# Altium PCB mpu6050.PcbDoc
Units mm, origin at the board's own origin, x right, y up, seen from the top; angles counter-clockwise.
Board outline 14.63 x 18.45 mm, 2 copper layers (Top Layer, Bottom Layer); 11 components, 9 nets, 53 pads, 19 vias.
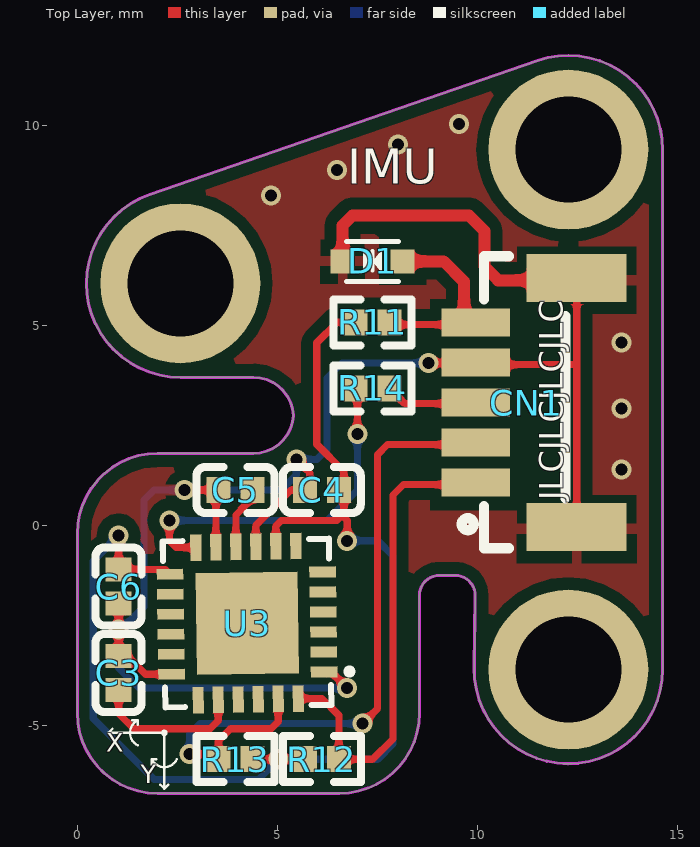
[diagram p0: Top Layer view]
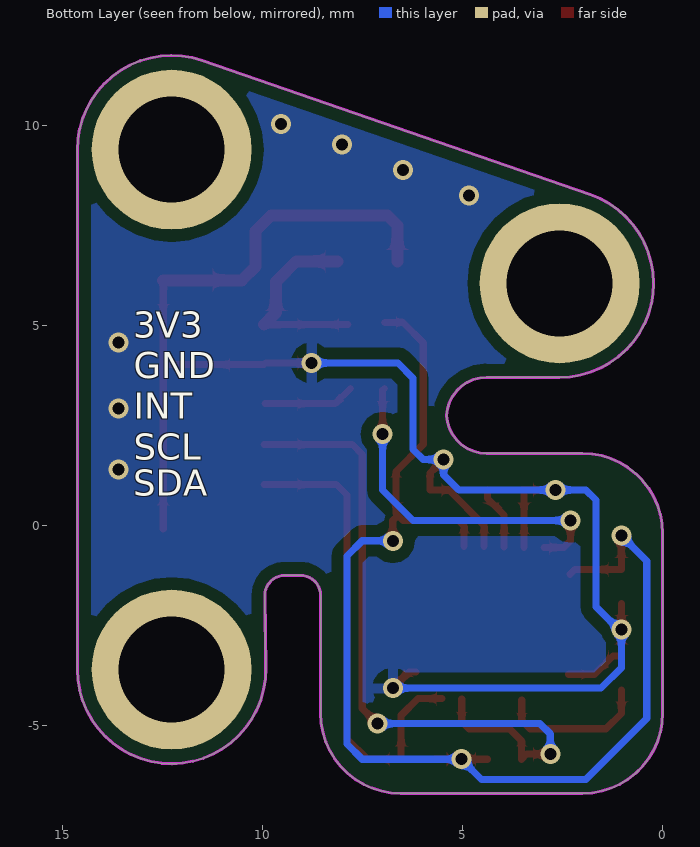
[diagram p1: Bottom Layer view, seen from below]
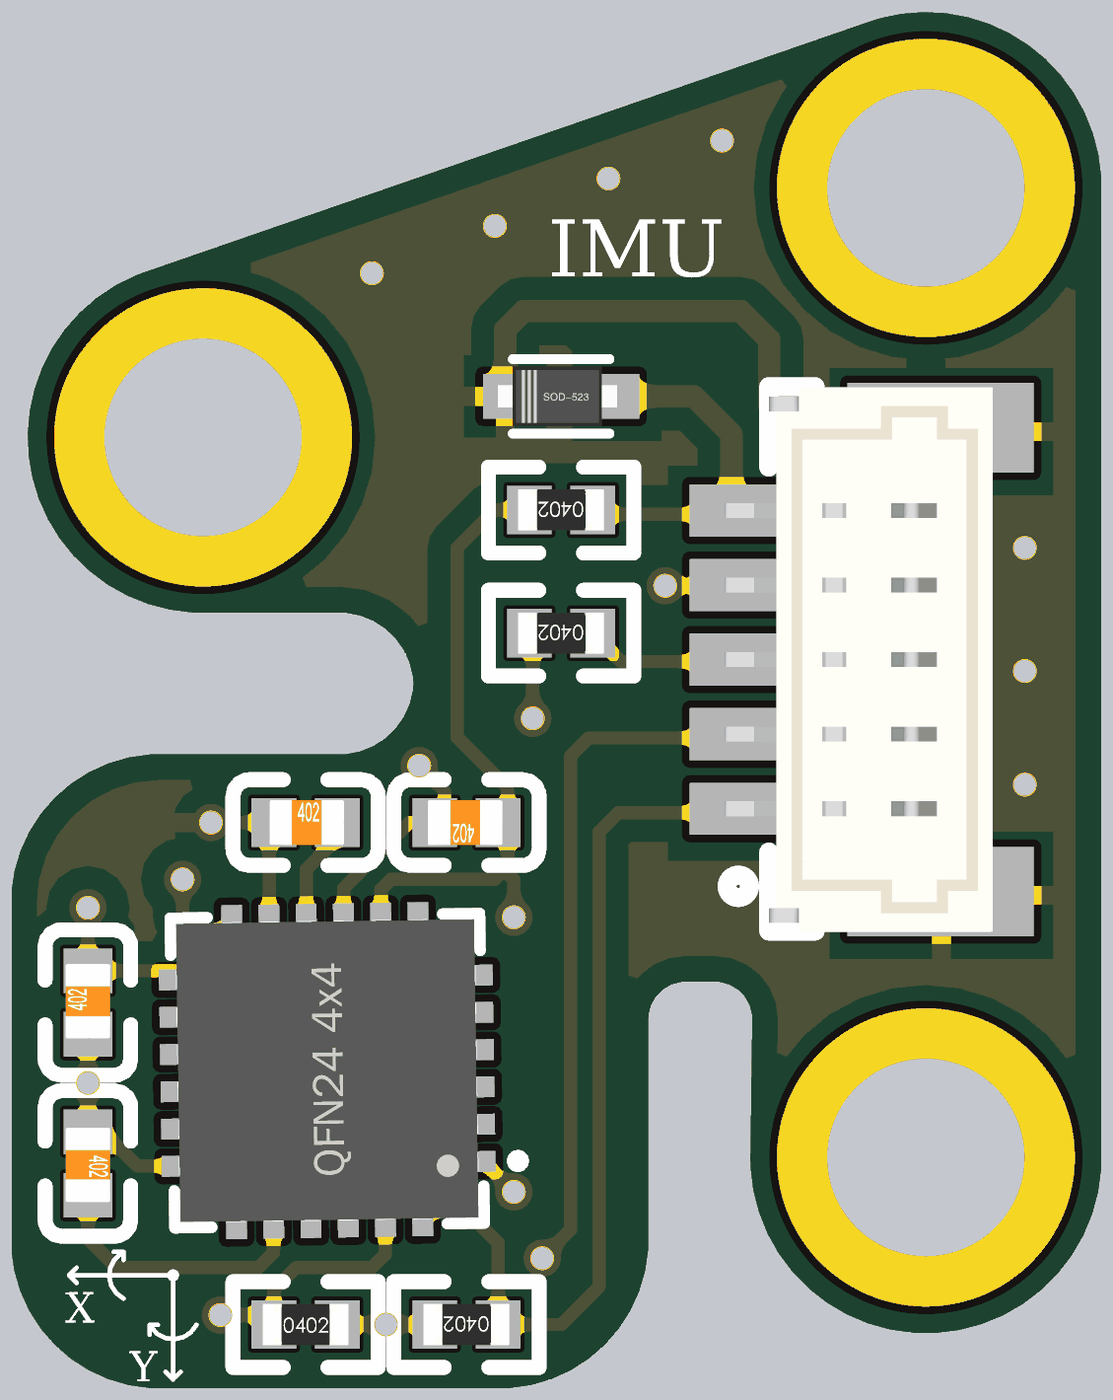
[diagram p2: 3D render of the assembled board from above, using the file's embedded part models]

## Layer stack, top to bottom
Top Solder: solder mask 0.0102, Solder Resist, Dk 3.5
Top Layer: signal copper 0.0356
Dielectric 1: dielectric 0.32, FR-4, Dk 4.8
Bottom Layer: signal copper 0.0356
Bottom Solder: solder mask 0.0102, Solder Resist, Dk 3.5

## Board outline
-0.014,-4.696 ccw(c1.986,-4.696) 1.986,-6.696 6.537,-6.696 ccw(c6.537,-4.696) 8.537,-4.696 8.537,-1.746 cw(c9.037,-1.746) 9.037,-1.246 9.43,-1.246 cw(c9.43,-1.746) 9.93,-1.752 9.907,-3.57 ccw(c12.261,-3.601) 14.616,-3.601 14.616,9.399 ccw(c12.261,9.399) 11.492,11.625 1.794,8.275 ccw(c2.561,6.054) 2.561,3.704 4.386,3.704 cw(c4.386,2.704) 5.385,2.754 cw(c4.386,2.804) 4.386,1.804 1.986,1.804 ccw(c1.986,-0.196) -0.014,-0.196

## Design rules (kind name [scope] priority, off if disabled: settings)
Clearance [All] p1: gap=0.15
PolygonConnect [All] p1: connectstyle=Relief reliefconductorwidth=0.254 reliefentries=4 polygonreliefangle="90 Angle" airgapwidth=0.254
RoutingVias [All] p1: holewidth=0.711 width=1.27 viastyle="Through Hole" minholewidth=0.711 minwidth=1.27 maxholewidth=0.711 maxwidth=1.27
SolderMaskExpansion [All] p1: expansion=0.102
UnpouredPolygon [All] p1: allowunpoured=FALSE
Width [All] p1: maxlimit=0.508 minlimit=0.178 preferedwidth=0.254
29 further rules are at their usual default settings.

## Components (designator, comment, footprint, x,y, rotation, side; value= is the part's Value field where it differs from the comment)
C3 "2.2uF ±10％ 16V" 0402_C 1.016,-3.683 r270 top
C4 "10nF (103) 10% 50V" 0402_C 6.096,0.889 r180 top
C5 "100nF (104) 10% 16V" 0402_C 3.937,0.889 r0 top
C6 "100nF (104) 10% 16V" 0402_C 1.016,-1.524 r90 top
CN1 "HC-1.0-5PLT" CONN-SMD_5P-P1.00_HCTL_HC-1.0-5PLT 11.201,3.073 r90 top
D1 "ESD5Z3.3C" SOD-523_L1.2-W0.8-LS1.6-BI 7.366,6.604 r180 top
R11 "0Ω (0R0) ±1%" 0402_R 7.366,5.08 r180 top
R12 "4.7KΩ (4701) ±1%" 0402_R 6.096,-5.842 r180 top
R13 "4.7KΩ (4701) ±1%" 0402_R 3.937,-5.842 r0 top
R14 "1KΩ (1001) ±1%" 0402_R 7.366,3.429 r180 top
U3 "MPU-6050_C24112" QFN-24_L4.0-W4.0-P0.50-BL-EP2.6 4.227,-2.438 r90.88 top

## Footprints (in the part's own frame and the unit in brackets; to place one, negate y for a bottom-side part, rotate by r counter-clockwise, add the part's x,y. Pads: shape width x height; smd on the part's side, far side on the other; paste and mask are expansions set on the pad)
0402_C [mm]
  rect 0.6x0.65 smd mask+0.051: 1(-0.425,0) 2(0.425,0)
  silkscreen extent -0.97,-0.58 0.97,0.58, body extent -0.48,-0.3 0.52,0.3, height 0.2
0402_R [mm]
  rect 0.6x0.65 smd mask+0.051: 1(-0.425,0) 2(0.425,0)
  silkscreen extent -0.97,-0.58 0.97,0.58, body extent -0.57,-0.27 0.58,0.28, height 0.41
CONN-SMD_5P-P1.00_HCTL_HC-1.0-5PLT [mm]
  rect 0.7x1.71 smd: 1(-2,1.258) 2(-1,1.258) 3(0,1.258) 4(1,1.258) 5(2,1.258)
  rect 1.2x2.5 smd: 6(3.109,-1.257) 7(-3.11,-1.258)
  silkscreen extent -3.64,-0.99 3.66,1.61, body extent -3.65,-1.96 3.65,1.64, height 4.25
QFN-24_L4.0-W4.0-P0.50-BL-EP2.6 [mm]
  rect 0.28x0.665 smd: 1(-1.25,-1.907) 2(-0.75,-1.907) 3(-0.25,-1.907) 4(0.25,-1.907) 5(0.75,-1.907) 6(1.25,-1.907) 13(1.25,1.907) 14(0.75,1.907) 15(0.25,1.907) 16(-0.25,1.907) 17(-0.75,1.907) 18(-1.25,1.907)
  rect 0.665x0.28 smd: 7(1.907,-1.25) 8(1.907,-0.75) 9(1.907,-0.25) 10(1.907,0.25) 11(1.907,0.75) 12(1.907,1.25) 19(-1.907,1.25) 20(-1.907,0.75) 21(-1.907,0.25) 22(-1.907,-0.25) 23(-1.907,-0.75) 24(-1.907,-1.25)
  rect 2.55x2.55 smd: 25(0,0)
  silkscreen extent -2.08,-2.61 2.08,2.08, body extent -2.01,-2.01 2.01,2.01, height 0.95
SOD-523_L1.2-W0.8-LS1.6-BI [mm]
  rect 0.6x0.6 smd: 1(-0.75,0) 2(0.75,0)
  silkscreen extent -0.65,-0.5 0.65,0.5, body extent -0.75,-0.4 0.85,0.4, height 0.65

## Part data
C3 C5 C6: library part "0402 100nF (104) 10% 16V", "贴片电容"
C4: library part "0402 10nF (103) 10% 50V", "贴片电容"
R11: library part "0402 0Ω (0R0) 1%", "贴片电阻"
R12 R13: library part "0402 4.7KΩ (4701) 1%", "贴片电阻"
R14: library part "0402 1KΩ (1001) 1%", "贴片电阻"

## Free pads (board coordinates)
  round 4 hole 2.65: 0(2.561,6.054) 1(12.261,9.399) 2(12.261,-3.601)

## Via types
v1: diameter 0.5, hole 0.3, Top Layer to Bottom Layer, tented both sides, 19 vias

## Nets (pads, with @x,y where several pads share a name; then routed paths per layer and width w, separated by ;. In a path a pad name is that pad's centre, name@x,y a point inside that pad or via, vN(x,y) a via of type N, cw(c..) or ccw(c..) an arc to the next point about the centre after c; other vN are vias at no path point)
GND: C3.1 C4.2 C5.1 C6.1 CN1.4 CN1.6 CN1.7 D1.2 U3.1 U3.9 U3.11 U3.18 | length 47
  Top Layer w0.178: C6.1 v1(1.016,-2.603) C3.1 1.226,-3.258 1.685,-3.717 U3.18 ; v1(2.667,0.889) C5.1 ; U3.11 C5.1@3.448,0.825 ; U3.9 4.448,0.009 5.328,0.889 5.798,0.889 5.798,1.314 v1(5.461,1.651) ; U3.1 6.326,-3.659 v1(6.731,-4.064) ; v1(8.763,4.064) 9.914,4.064 9.955,4.023 12.384,4.023 ; CN1.7@12.469,-0.087 CN1.6@12.469,6.132
  Top Layer w0.3: D1.2 6.616,7.505 6.858,7.747 9.779,7.747 10.16,7.366 10.16,6.477 10.505,6.132 CN1.6@12.469,6.132
  Bottom Layer w0.178: v1(6.731,-4.064) 1.524,-4.064 1.016,-3.556 v1(1.016,-2.603) 1.08,-2.603 1.651,-2.032 1.651,0.635 1.905,0.889 v1(2.667,0.889) 5.08,0.889 5.461,1.27 v1(5.461,1.651) 5.969,1.651 6.223,1.905 6.223,3.683 6.604,4.064 v1(8.763,4.064)
  other v1: 13.589,1.397 13.589,2.921 13.589,4.572 4.826,8.255 6.477,8.89 8.001,9.525 9.525,10.033
IMU_INT: CN1.3 R14.1 | length 2.3
  Top Layer w0.178: R14.1 8.172,3.048 CN1.3@9.93,3.048
IMU_SCL: CN1.2 R13.1 U3.23 | length 17.9
  Top Layer w0.178: v1(2.794,-5.715) 3.385,-5.715 R13.1 3.512,-5.378 3.81,-5.08 4.826,-5.08 5.007,-4.899 U3.23 ; v1(7.112,-4.953) 7.493,-4.572 7.493,1.778 7.738,2.023 CN1.2@9.955,2.023
  Bottom Layer w0.178: v1(2.794,-5.715) 2.794,-5.207 3.048,-4.953 v1(7.112,-4.953)
IMU_SDA: CN1.1 R12.1 U3.24 | length 12.1
  Top Layer w0.178: U3.24 6.104,-4.326 6.521,-4.743 R12.1 7.366,-5.842 7.874,-5.334 7.874,0.762 8.135,1.023 CN1.1@9.955,1.023
NetC3_2: C3.2 U3.20 | length 3.8
  Top Layer w0.178: C3.2 1.016,-4.699 1.397,-5.08 3.302,-5.08 3.507,-4.875 U3.20
NetC5_2: C5.2 U3.10 | length 1.6
  Top Layer w0.178: U3.10 3.948,0.265 4.362,0.679 C5.2
NetR14_2: R14.2 U3.12 | length 8.8
  Top Layer w0.178: v1(2.286,0.127) 2.286,-0.381 2.455,-0.55 U3.12 ; R14.2 6.985,3.385 v1(6.985,2.286)
  Bottom Layer w0.178: v1(2.286,0.127) 6.223,0.127 6.985,0.889 v1(6.985,2.286)
VCC_3V3: CN1.5 D1.1 R11.1 | length 5.1
  Top Layer w0.178: R11.1@7.848,5.023 CN1.5@9.955,5.023
  Top Layer w0.3: D1.1 9.144,6.604 9.652,6.096 9.652,5.326 CN1.5@9.955,5.023
VCC_IMU: C4.1 C6.2 R11.2 R12.2 R13.2 U3.8 U3.13 | length 31.6
  Top Layer w0.178: v1(1.016,-0.254) C6.2 2.182,-1.099 U3.13 ; R13.2 v1(5.017,-5.842) R12.2 ; U3.8 4.948,-0.005 5.08,0.127 6.477,0.127 6.648,0.298 ; v1(6.731,-0.381) 6.731,0.127 6.604,0.254 6.648,0.298 ; R11.2 6.477,5.08 5.969,4.572 5.969,2.032 6.648,1.353 6.648,0.889 6.648,0.298
  Bottom Layer w0.178: v1(1.016,-0.254) 0.381,-0.889 0.381,-4.824 1.905,-6.348 4.511,-6.348 v1(5.017,-5.842) 7.493,-5.842 7.874,-5.461 7.874,-0.762 7.493,-0.381 v1(6.731,-0.381)
pads on no net: U3.2 U3.3 U3.4 U3.5 U3.6 U3.7 U3.14 U3.15 U3.16 U3.17 U3.19 U3.21 U3.22 U3.25

## Polygon pours and split planes (outlines as drawn)
GND on Top Layer "Top Layer-No Net" (solid, remove dead copper, pour order 2): -0.635,12.065 -0.635,-6.985 15.24,-6.985 15.24,12.065 -0.635,12.065
GND on Bottom Layer "Top Layer-No Net" (solid, remove dead copper, pour order 5): -0.635,12.065 -0.635,-6.985 15.24,-6.985 15.24,12.065 -0.635,12.065

## Keep-outs
Keep-Out Layer:
  the board outline again, w0.076

## Silkscreen, mask and mechanical layers (free items; w line width, h text height)
Top Overlay:
  circle w0.06: c2.159,-5.182 r0.05
  circle w0.06: c2.159,-5.182 r0.05
  lines w0.06: 0.864,-5.283 0.762,-5.182 ; 0.864,-5.08 0.762,-5.182 ; 1.362,-4.869 1.494,-4.869 ; 1.494,-5.495 cw(c1.651,-5.182) 1.494,-4.869 ; 1.494,-4.977 1.494,-4.869 ; 1.846,-5.979 1.846,-5.847 ; 1.954,-5.846 1.846,-5.846 ccw(c2.159,-5.69) 2.472,-5.846 ; 2.057,-6.477 2.159,-6.579 ; 2.261,-6.477 2.159,-6.579 ; 0.762,-5.182 2.159,-5.182 2.159,-6.579
  text "IMU" at 6.731,8.255 h1.5
  text "JLCJLCJLCJLC" at 12.319,0.635 h1 r90
  text "X" at 0.711,-5.817 h0.8
  text "Y" at 1.575,-6.604 h0.8
Bottom Overlay:
  text "3V3" at 13.215,4.699 h0.65
  text "GND" at 13.208,3.683 h0.65
  text "INT" at 13.208,2.667 h0.65
  text "SCL" at 13.208,1.651 h0.65
  text "SDA" at 13.215,0.744 h0.65
Mechanical 1:
  the board outline again, w0.076
Mechanical 2:
  drawing of 244 lines, arcs and shapes, not listed